# Altium PCB [Ref] STM32H743XIH6_SOM_Bd.PcbDoc (part 1 of 3)
Units mm, origin at the board's own origin, x right, y up, seen from the top; angles counter-clockwise.
Board outline 45 x 69.6 mm, 8 copper layers (L1 (Sig), L2 (GND), L3 (PWR), L4 (Sig), L5 (GND), L6 (Sig), L7 (GND), L8 (Sig)), stack 1.178 mm thick; 147 components, 165 nets, 926 pads, 711 vias.
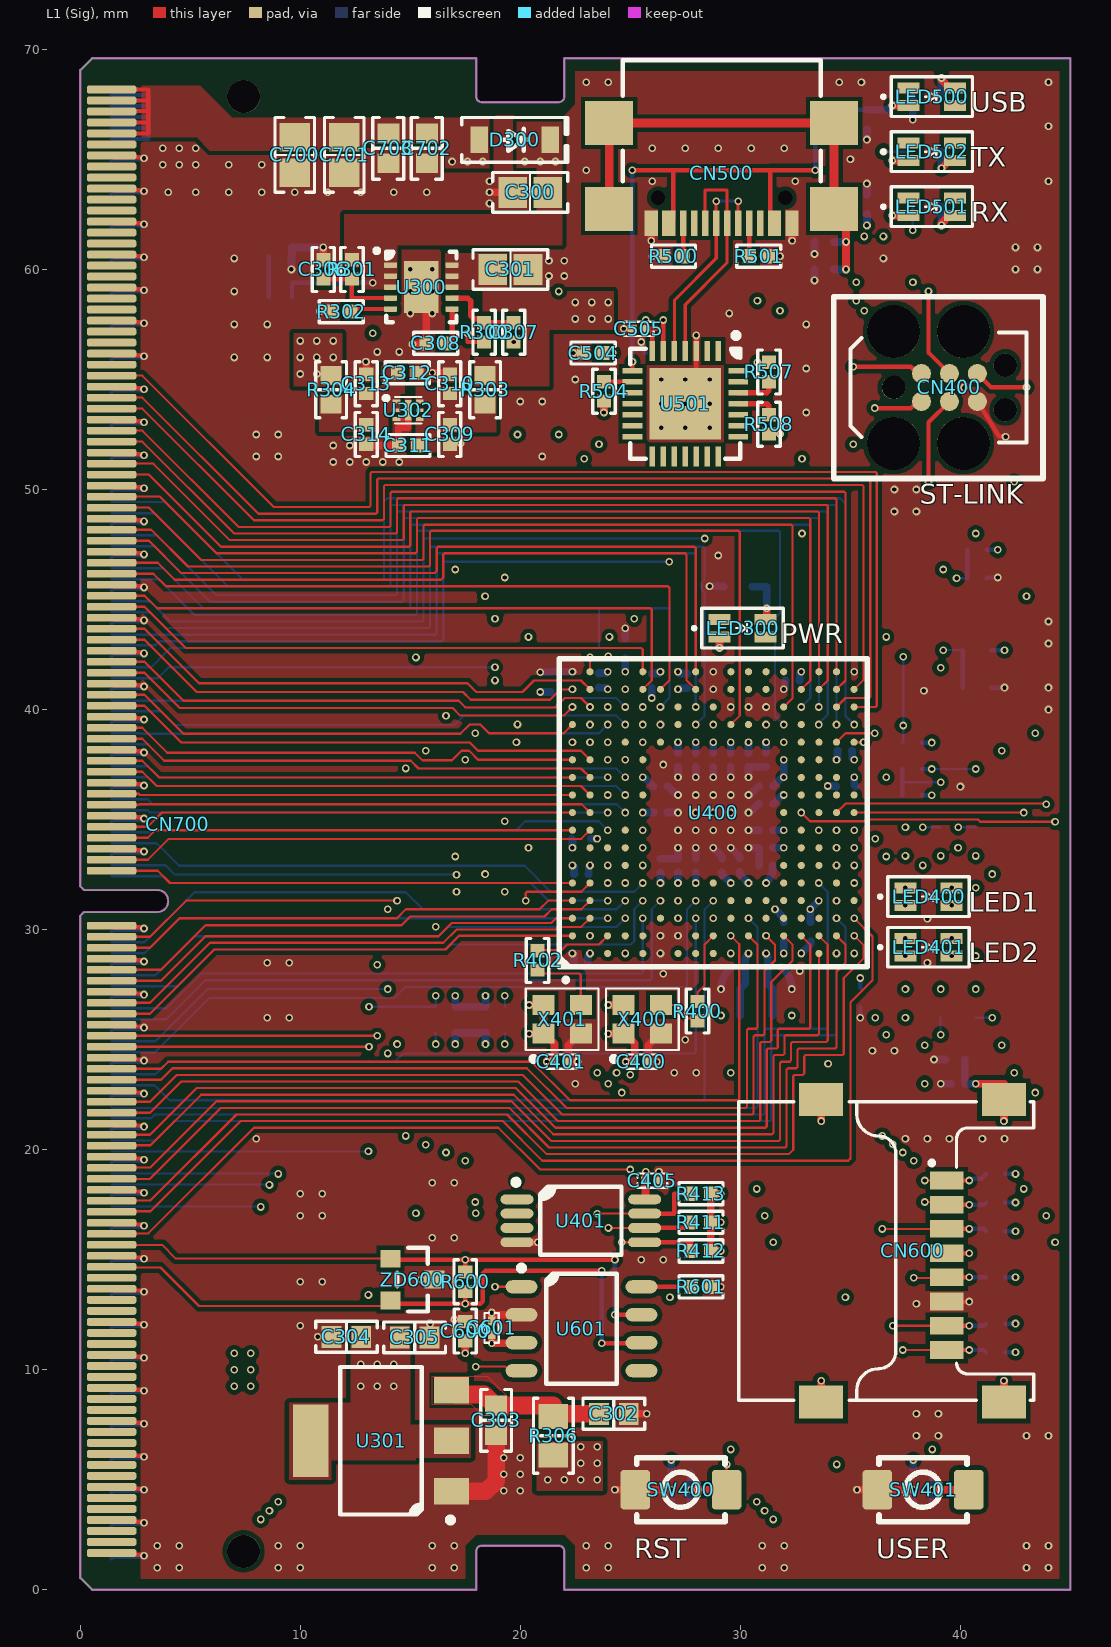
[diagram p0: L1 (Sig) view]
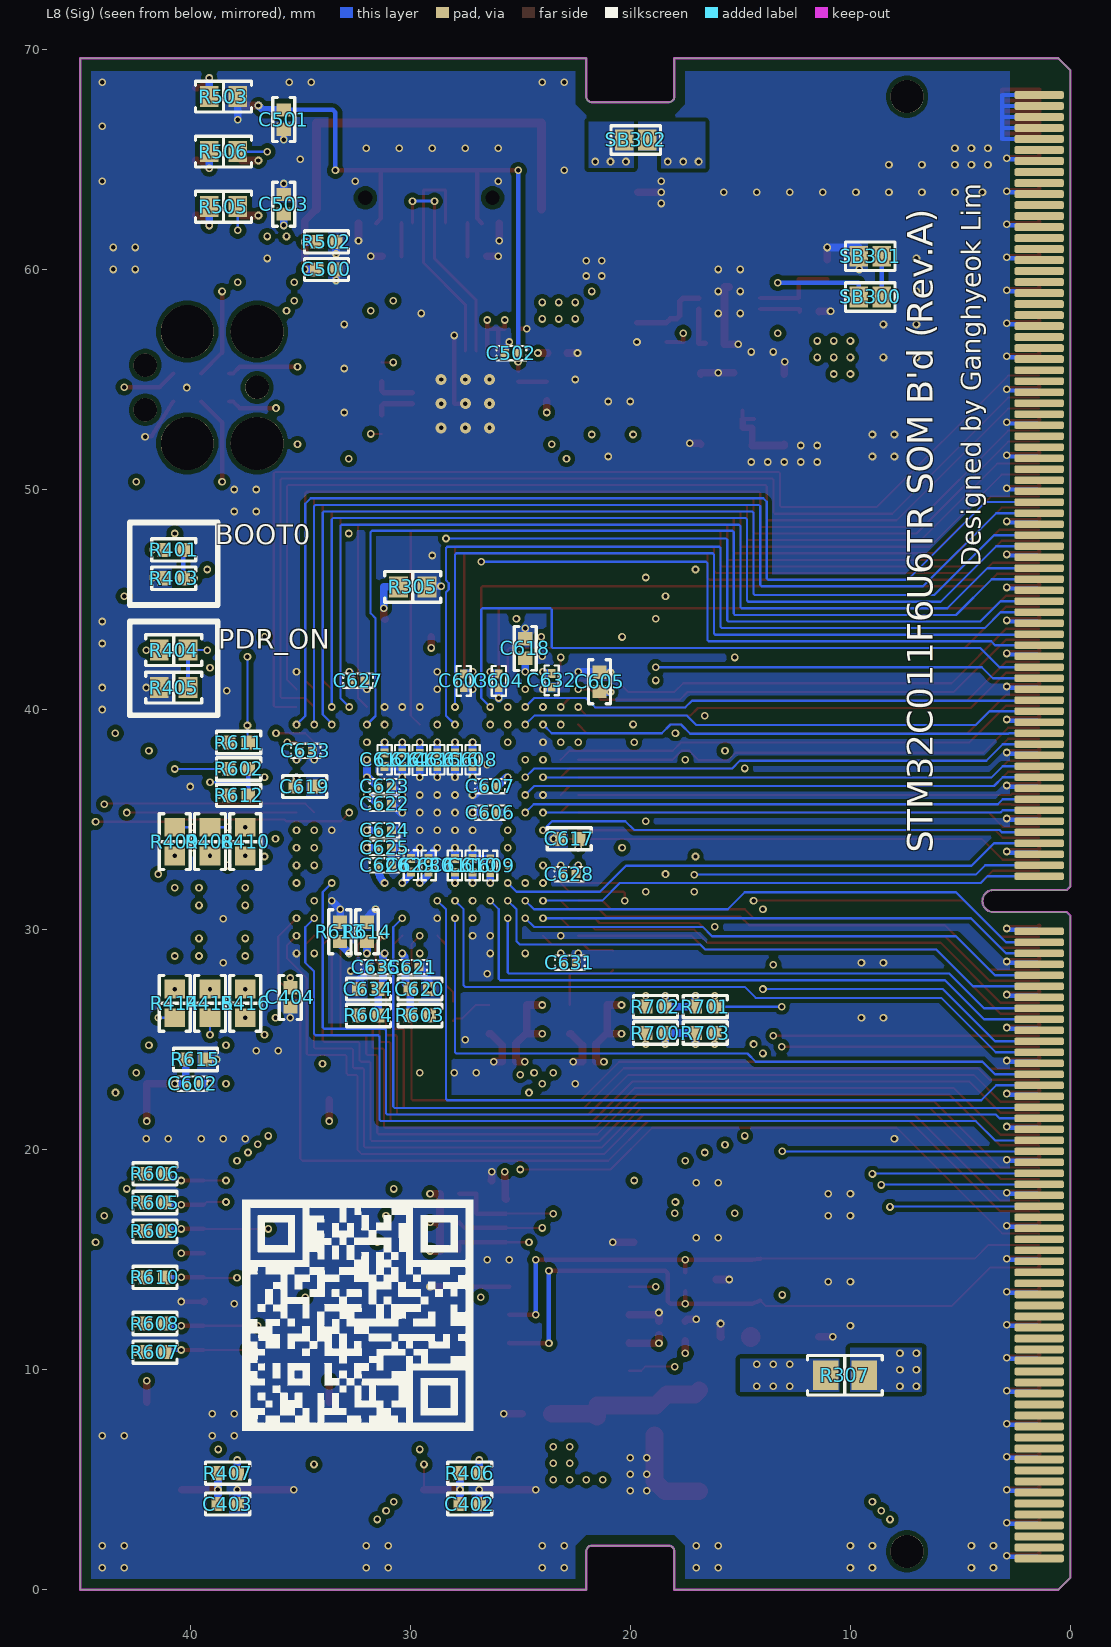
[diagram p1: L8 (Sig) view, seen from below]
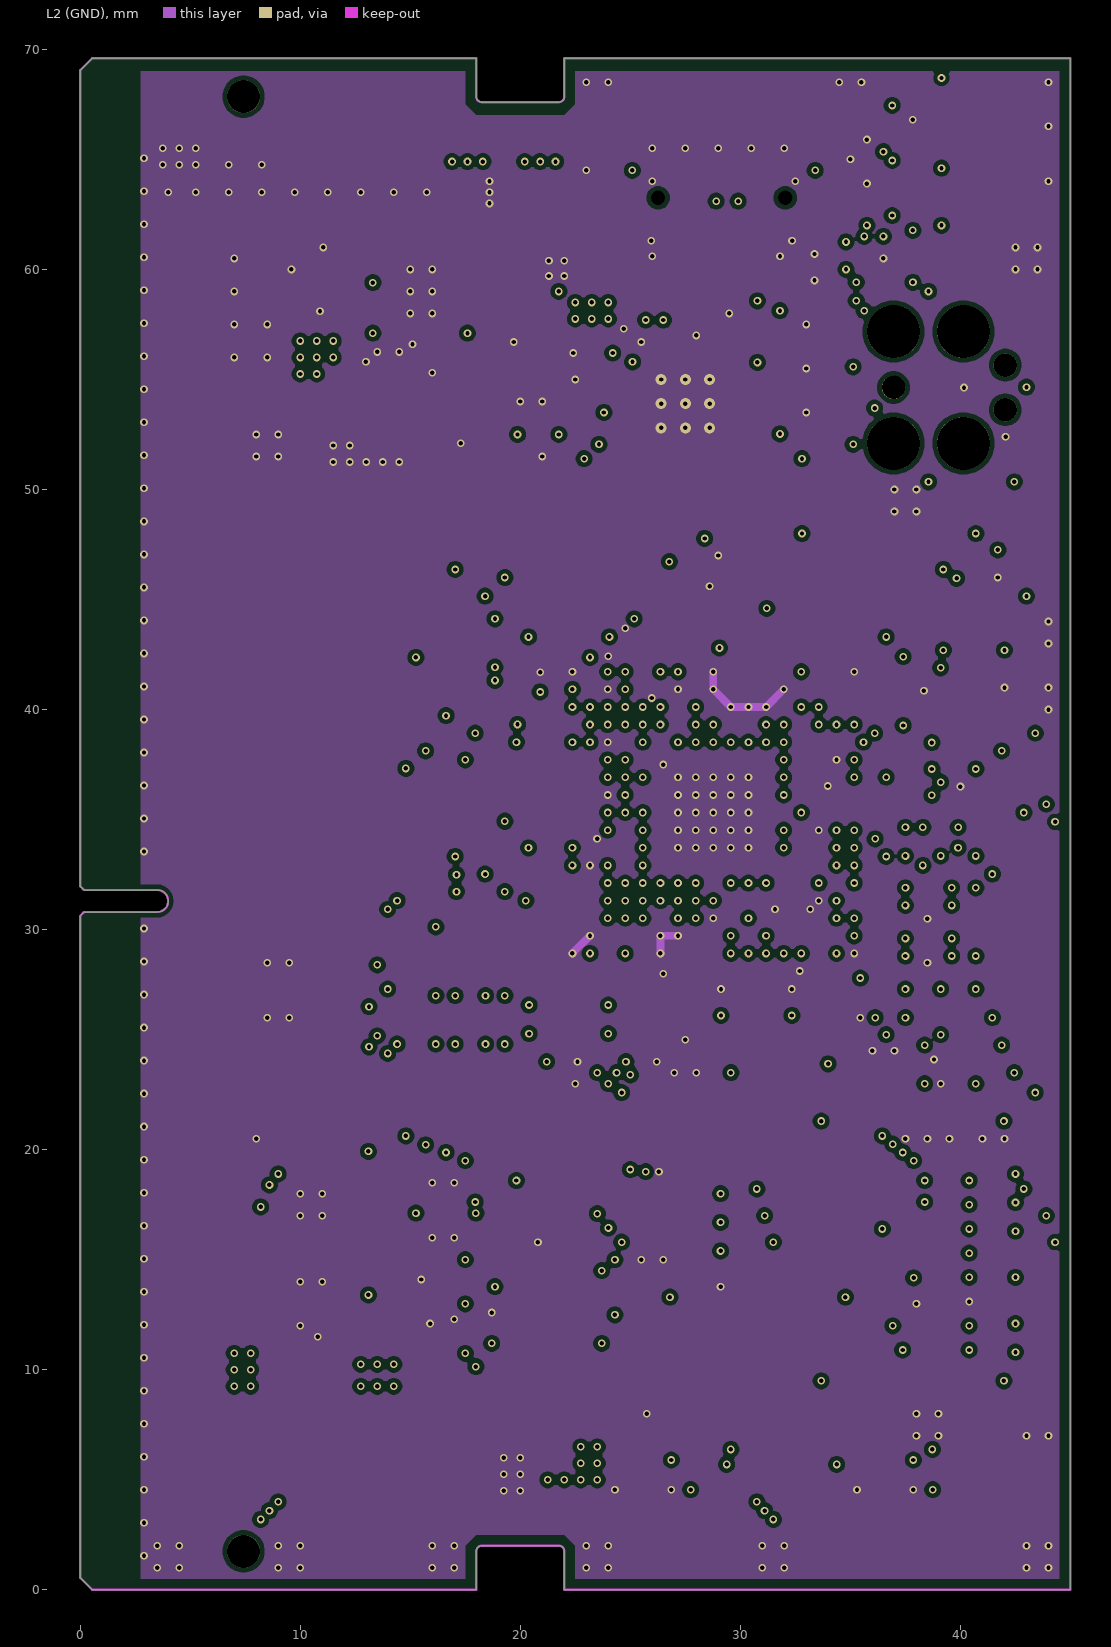
[diagram p2: L2 (GND)]
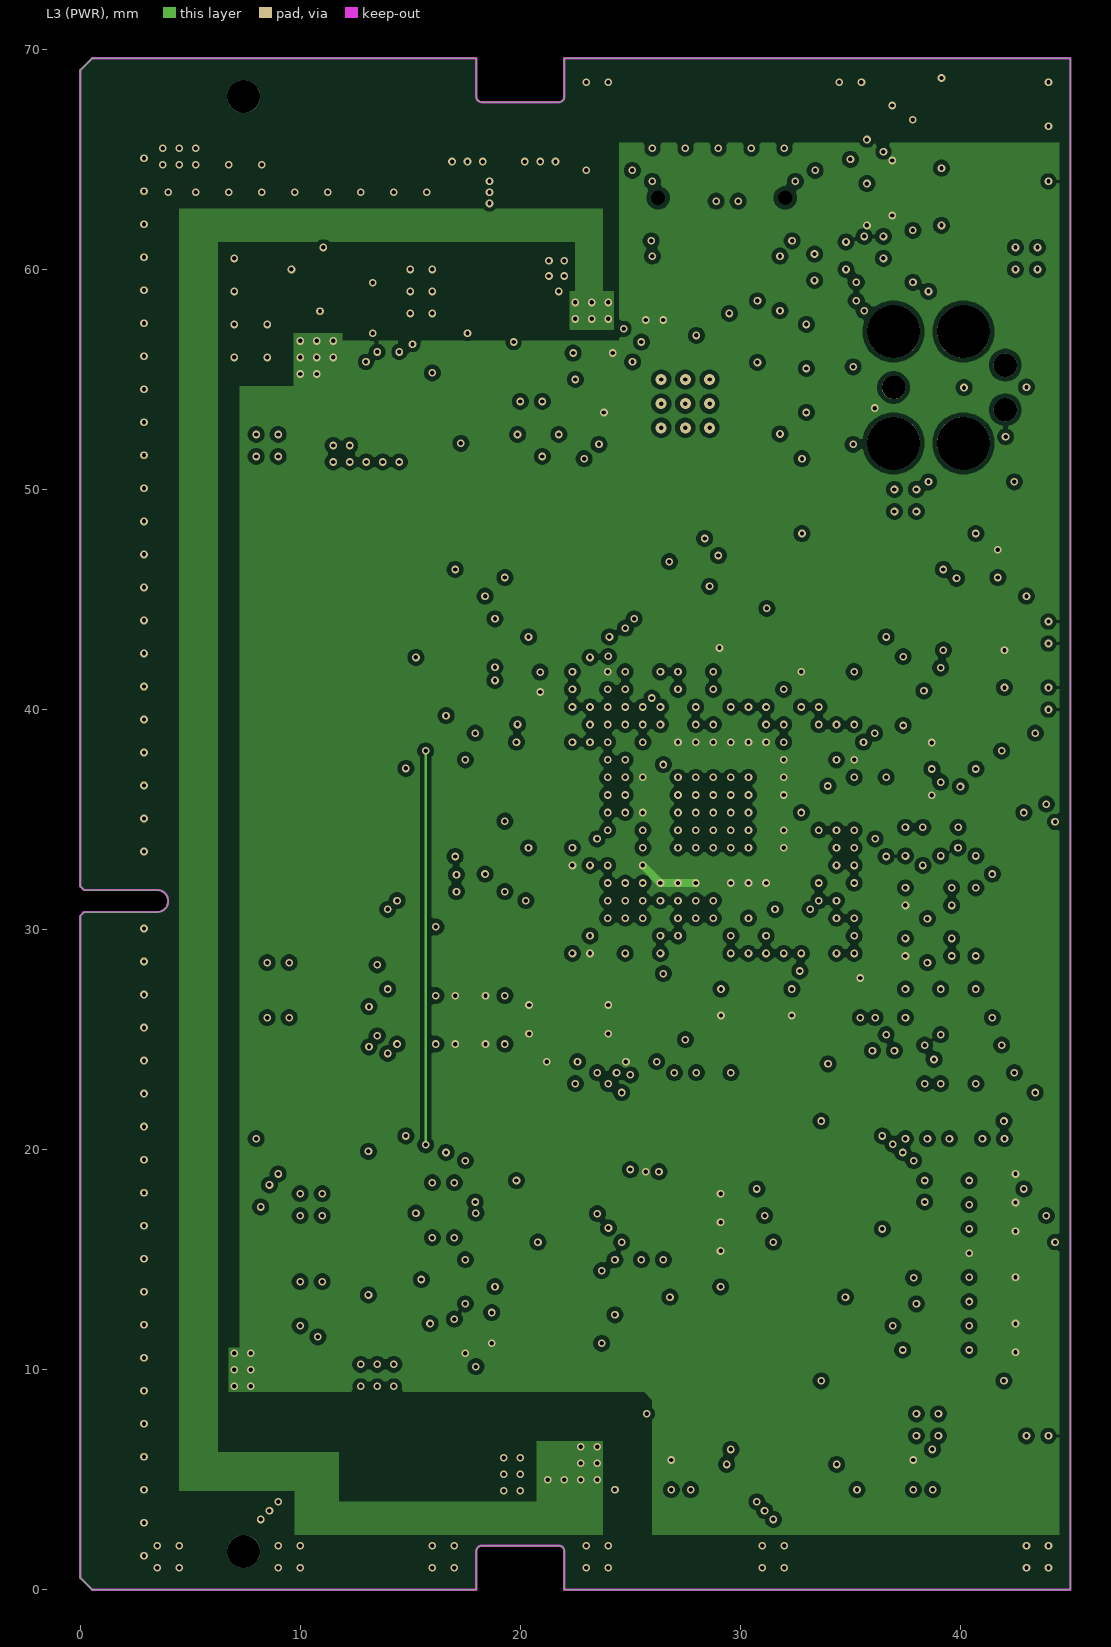
[diagram p3: L3 (PWR)]
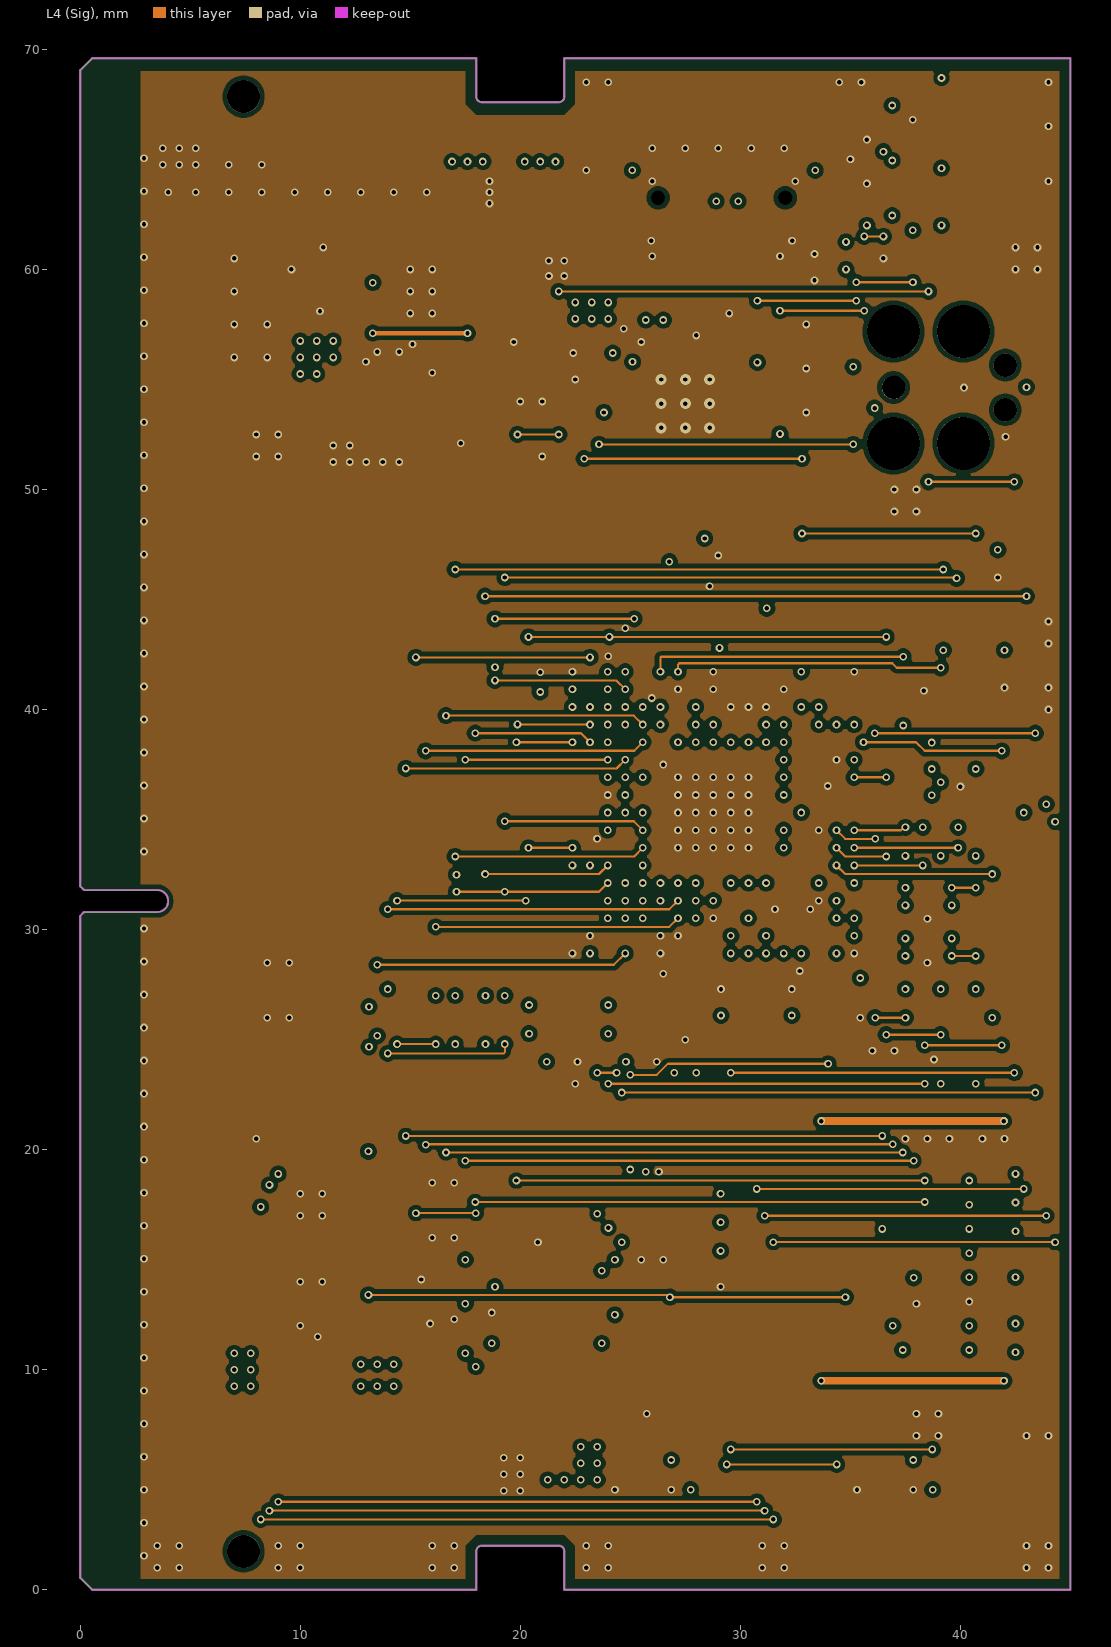
[diagram p4: L4 (Sig)]
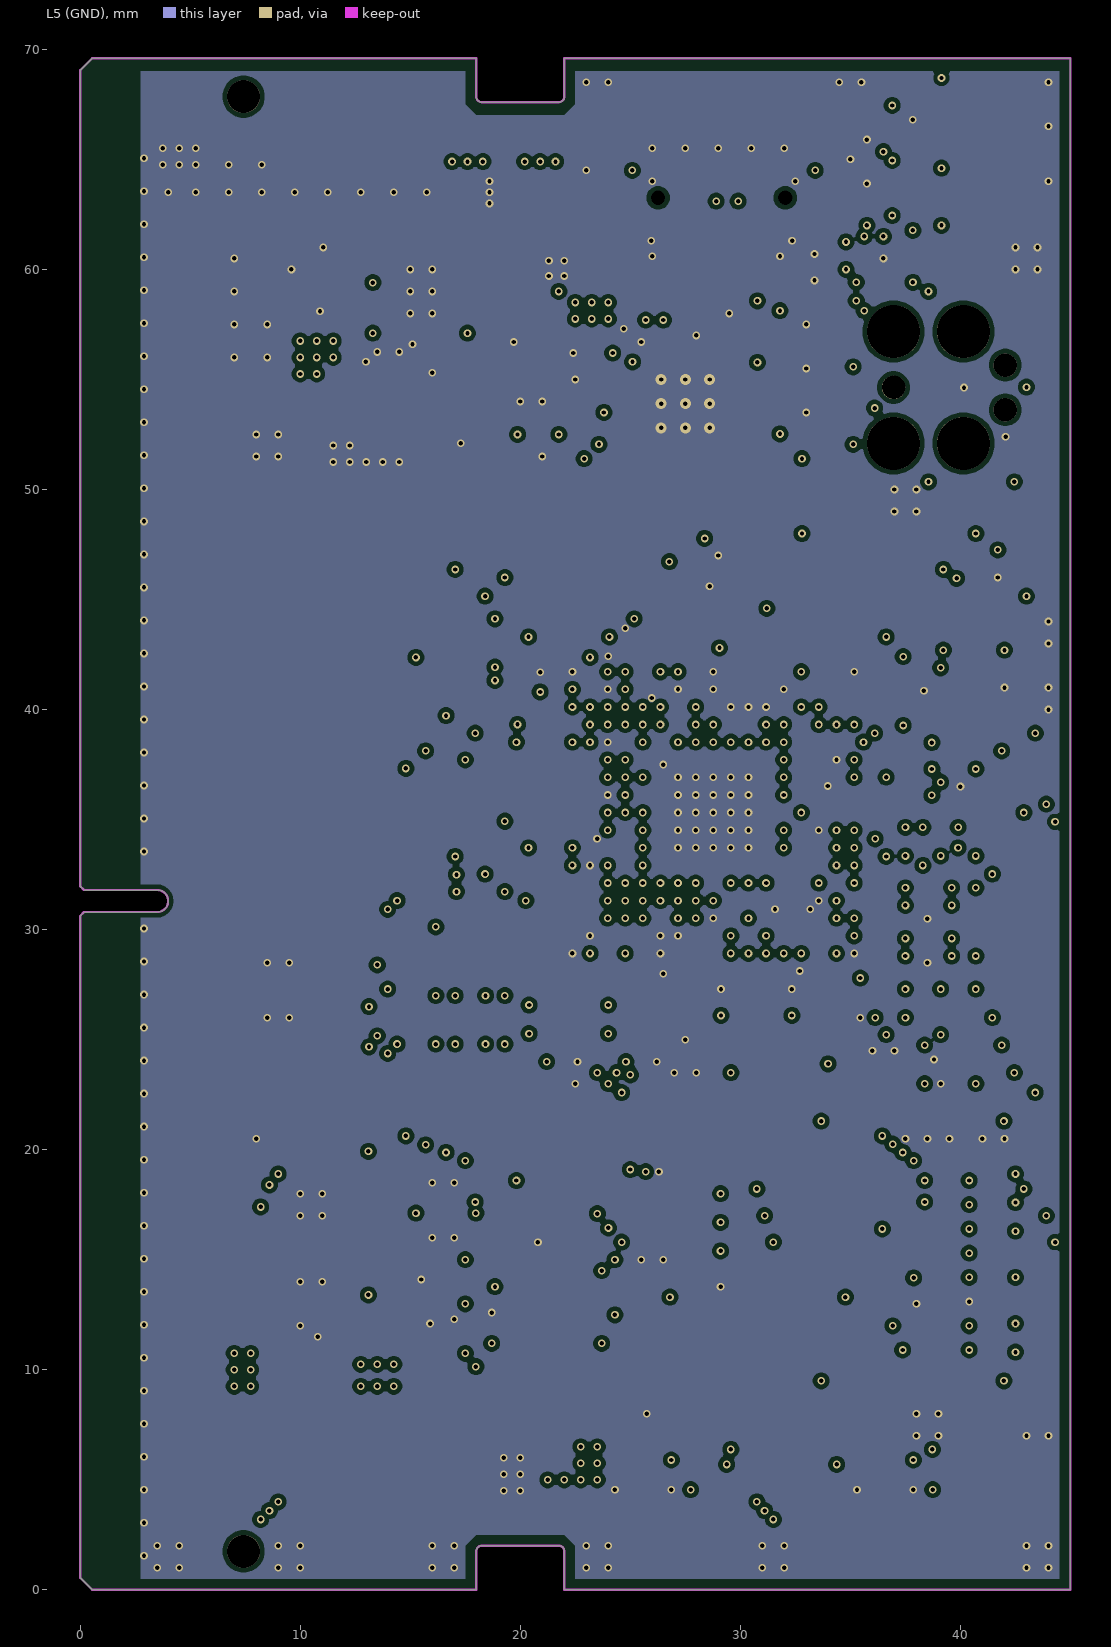
[diagram p5: L5 (GND)]
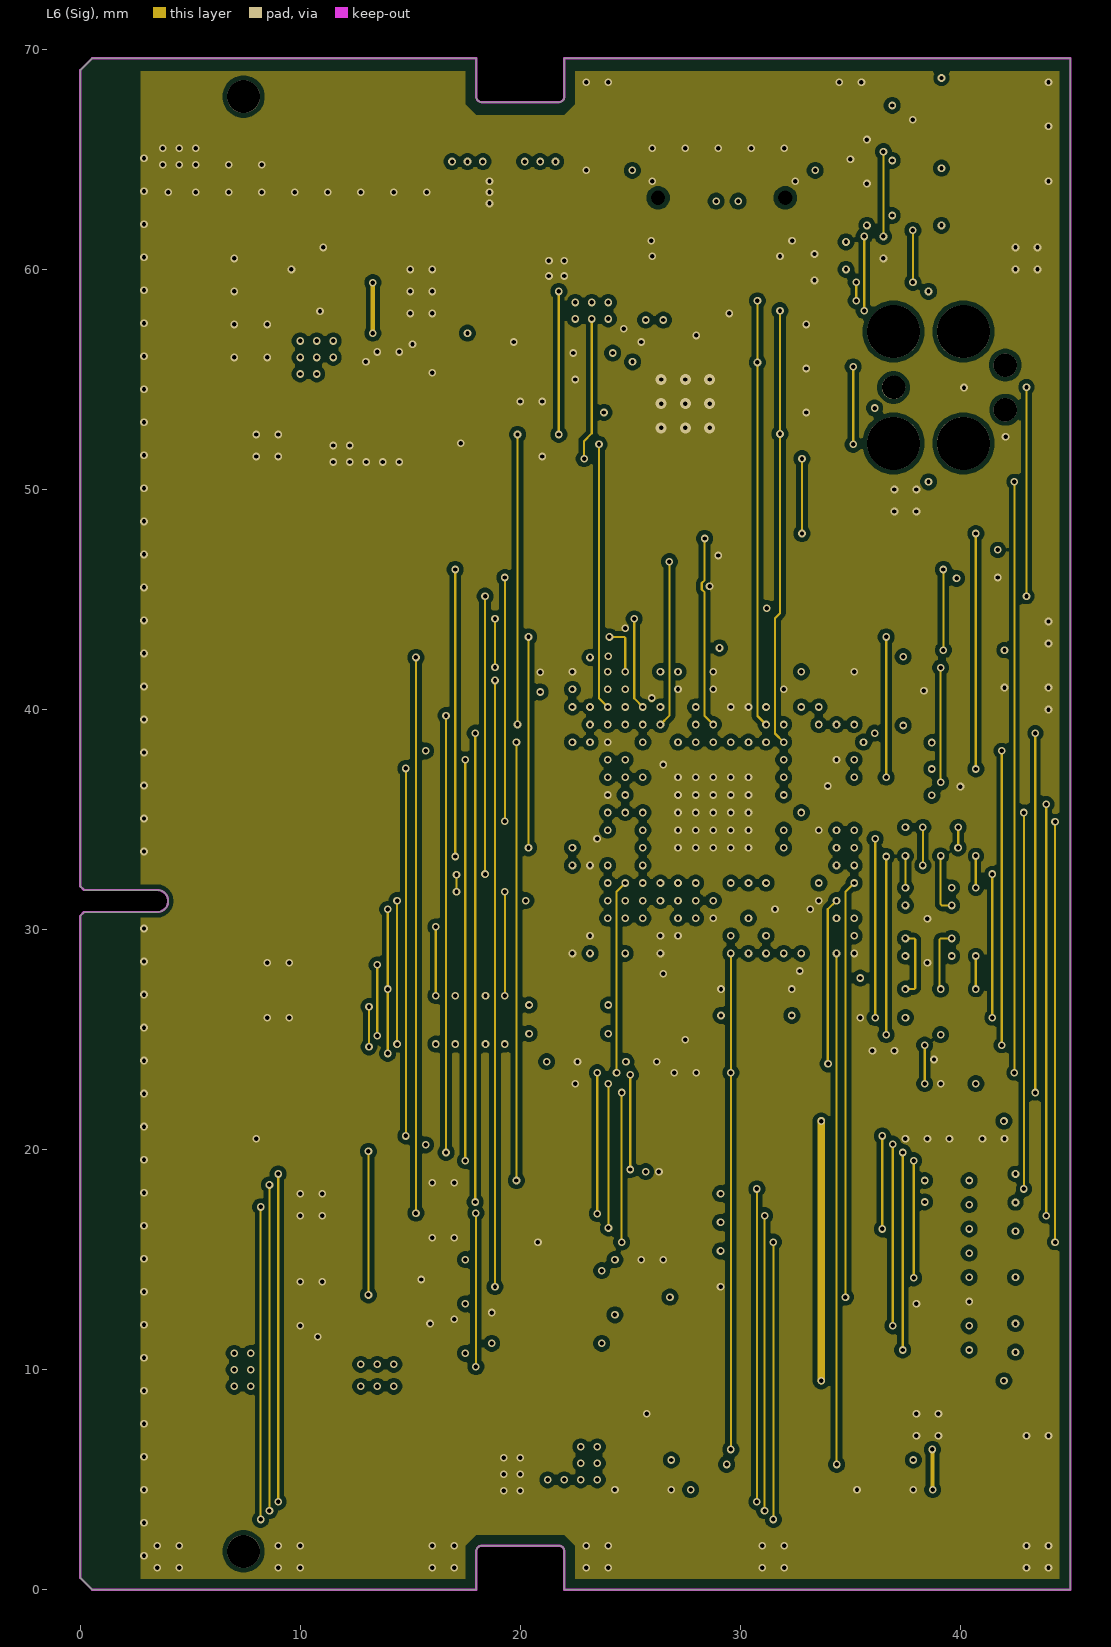
[diagram p6: L6 (Sig)]
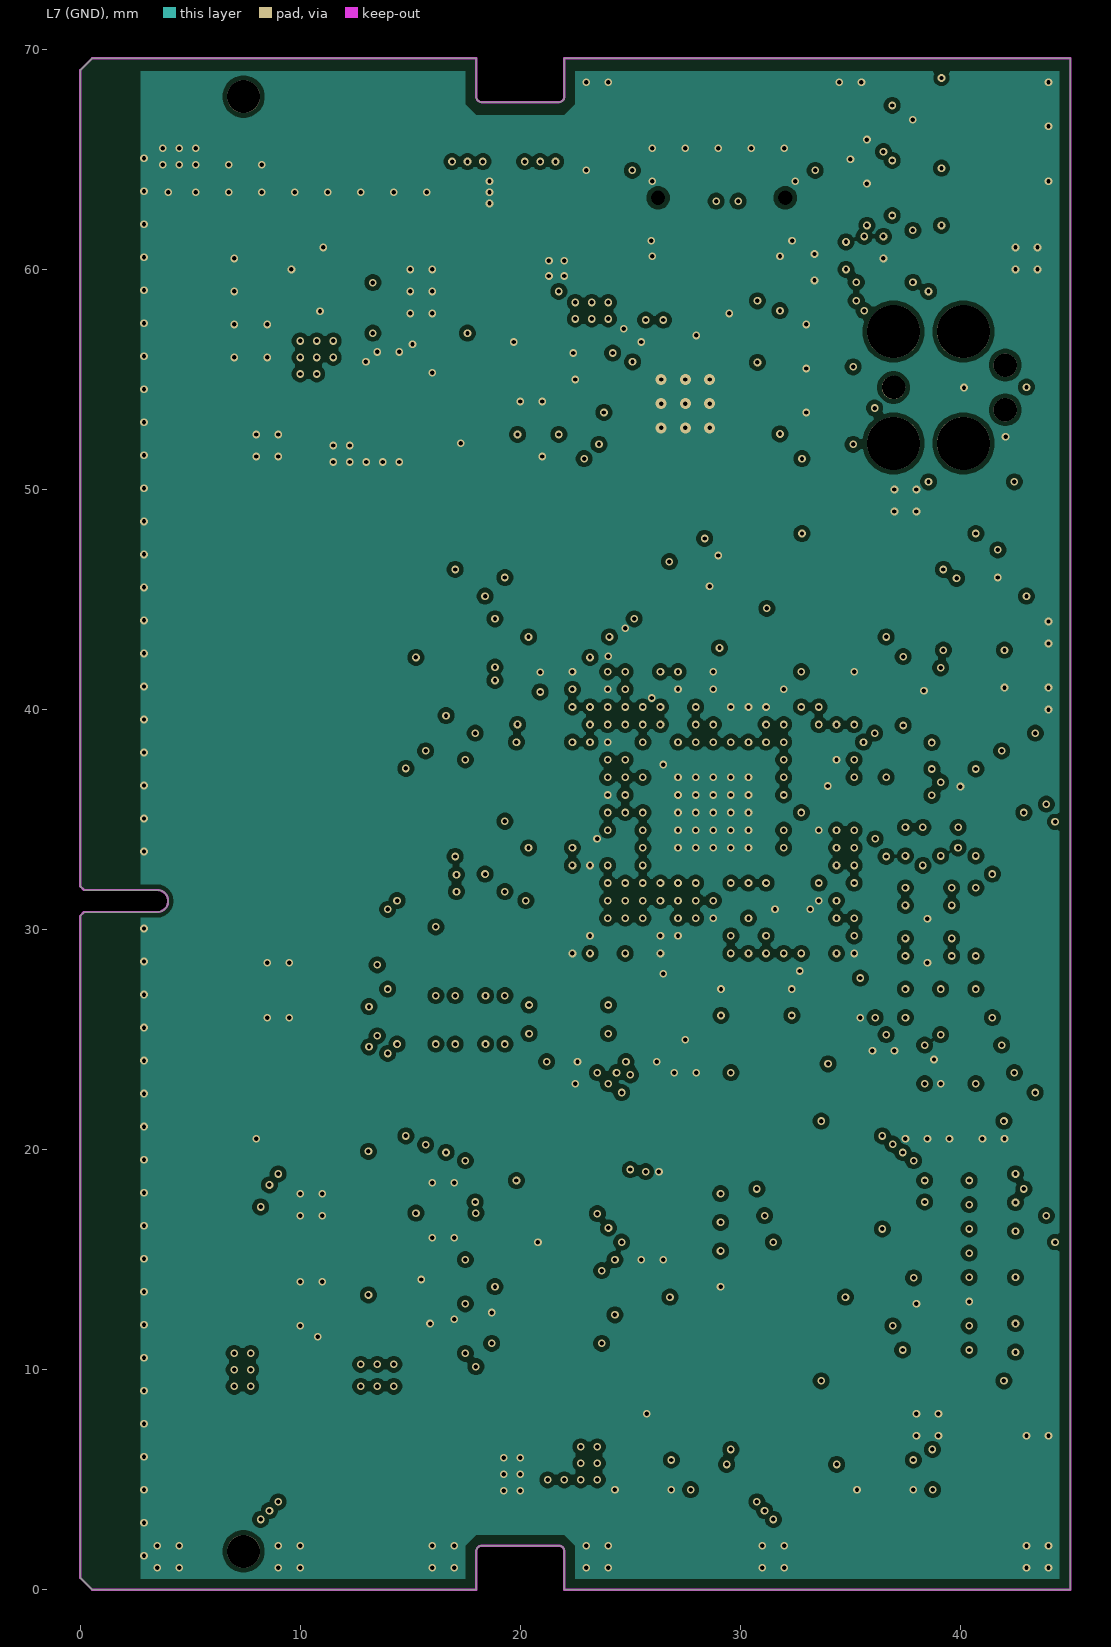
[diagram p7: L7 (GND)]
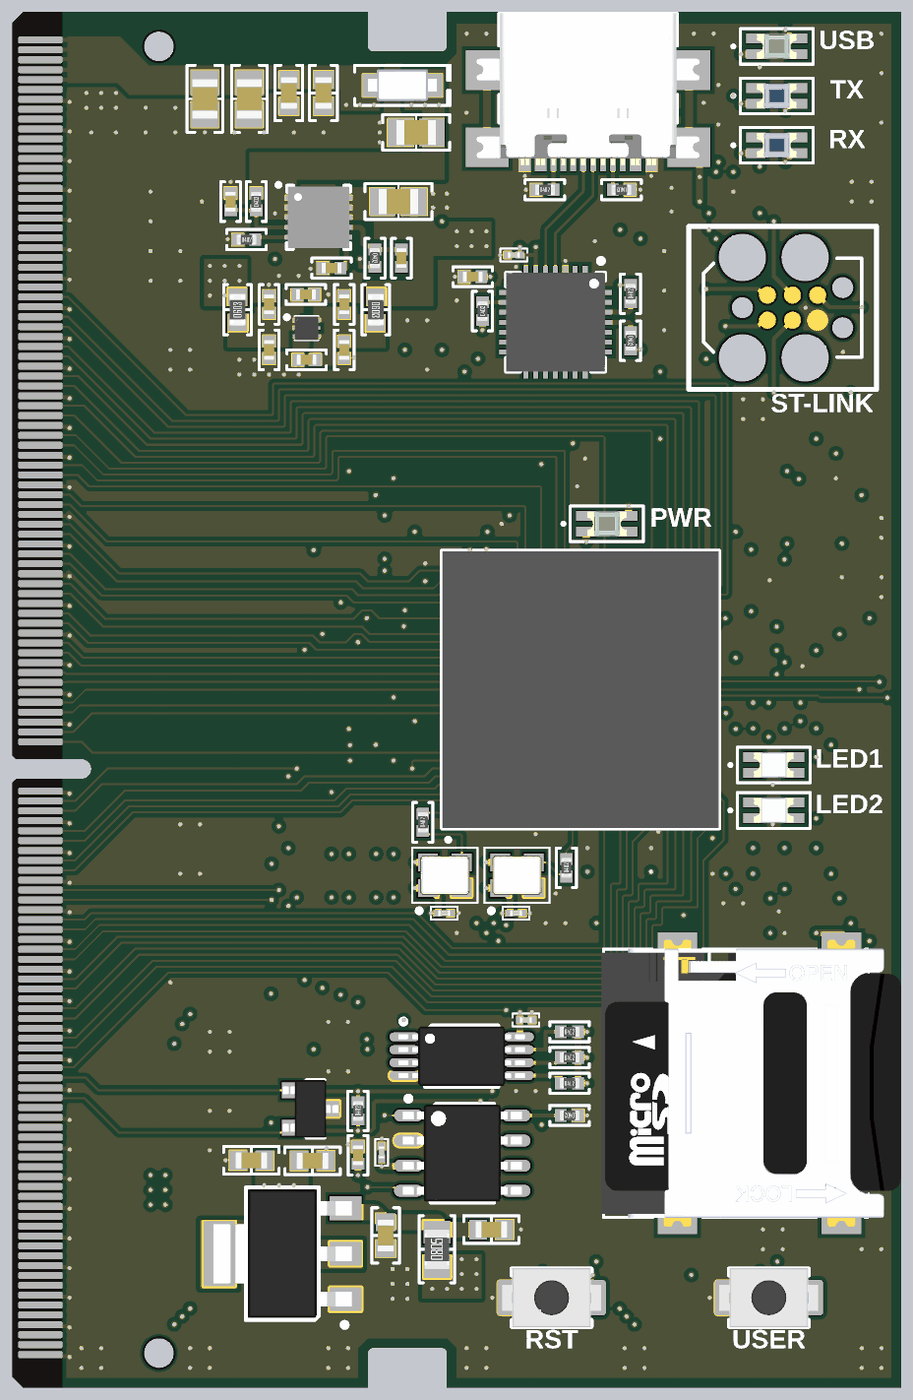
[diagram p10: 3D render of the assembled board from above, using the file's embedded part models]